# Altium PCB BGA_faser_v2.PcbDoc (part 1 of 5) (continued)
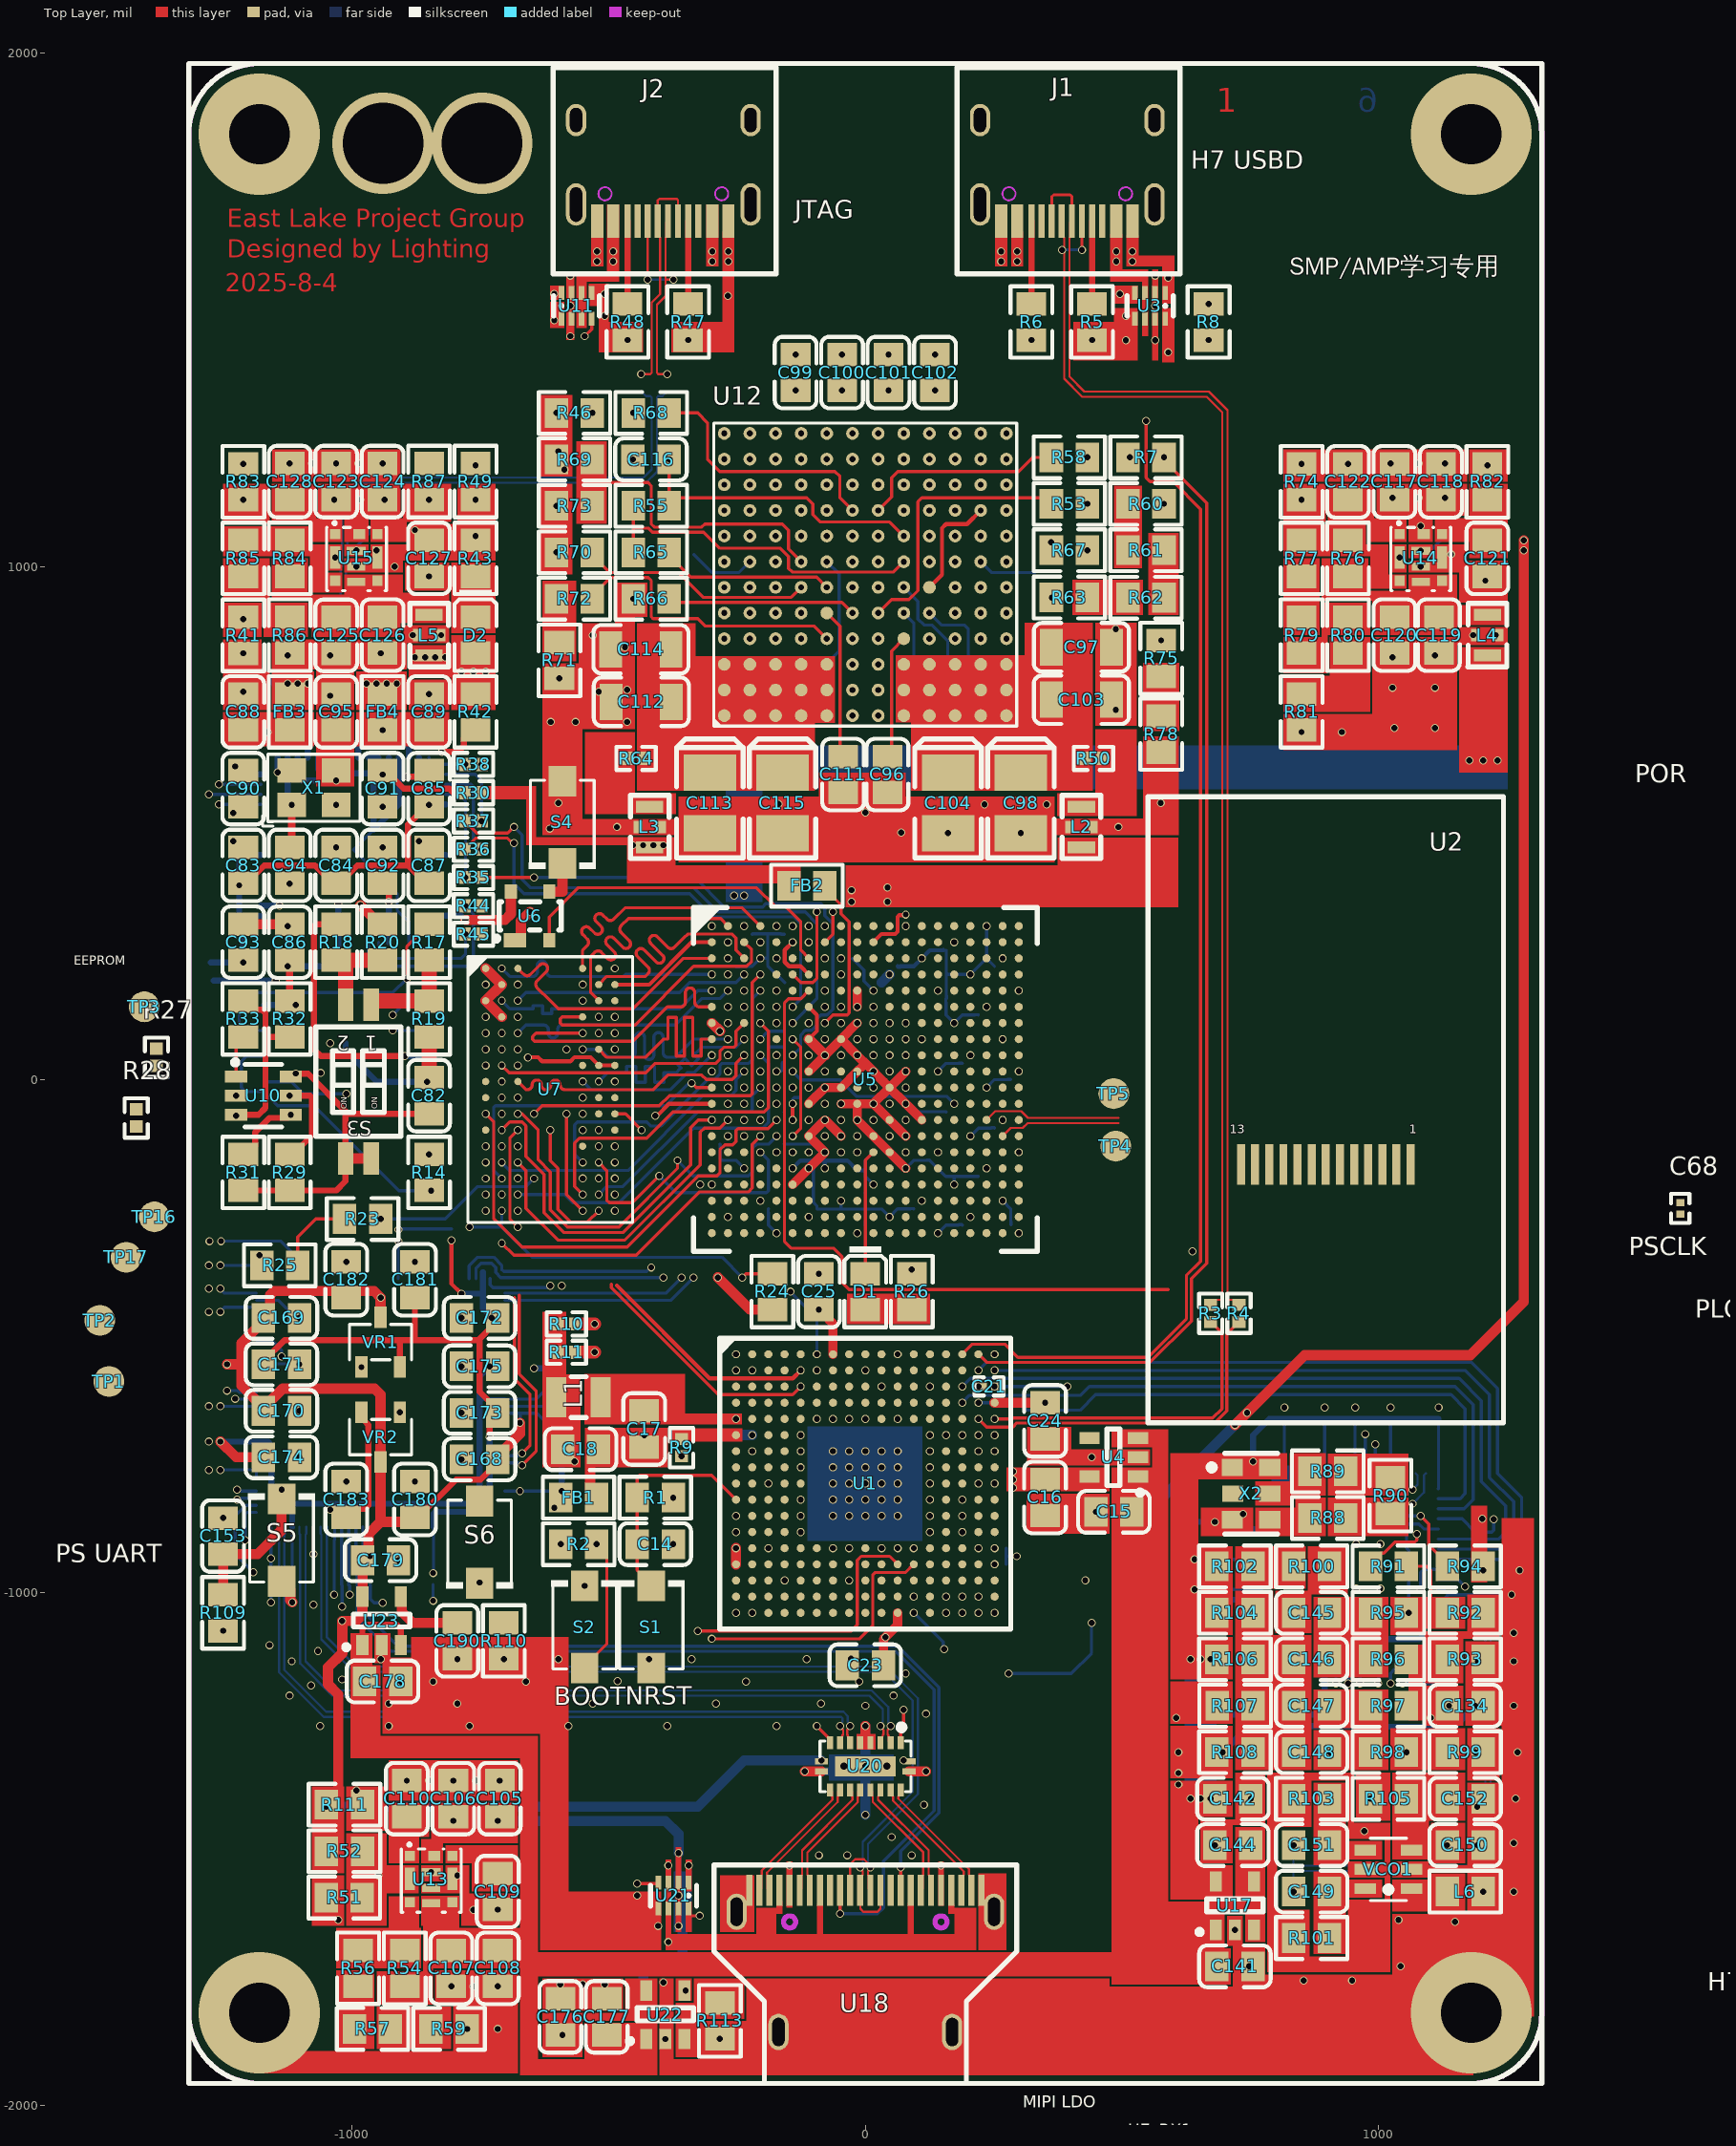
[diagram p0: Top Layer view]
## Components (designator, comment, footprint, x,y, rotation, side; value= is the part's Value field where it differs from the comment) (continued)
R22 "10KΩ" 0201#1 -47.24,236.22 r0 bottom
R23 "120Ω" 0805_R -979.92,-271.65 r180 top
R24 "4.7KΩ" 0805_R -181.1,-413.39 r90 top
R25 "120Ω" 0805_R -1141.34,-362.2 r0 top
R26 "1.2KΩ" 0805_R 90.55,-413.39 r90 top
R27 "80.4" 0402_R -1381.89,43.31 r90 top
R28 "80.4" 0402_R -1421.26,-74.8 r90 top
R29 "10KΩ (1002) ±1%" 0805_R -1122.05,-181.1 r270 top locked
R30 "0Ω" 0402_R -763.78,559.06 r0 top locked
R31 "10KΩ (1002) ±1%" 0805_R -1212.6,-181.1 r270 top locked
R32 "10KΩ (1002) ±1%" 0805_R -1122.05,118.11 r90 top
R33 "2.2KΩ" 0805_R -1212.6,118.11 r270 top
R34 "0Ω" 0402_R -1271.65,208.66 r90 bottom
R35 "33Ω" 0402_R -763.78,393.7 r0 top
R36 "33Ω" 0402_R -763.78,448.82 r180 top locked
R37 "33Ω" 0402_R -763.78,503.94 r180 top locked
R38 "33Ω" 0402_R -763.78,614.17 r0 top locked
R39 "33Ω" 0402_R -437.01,1358.27 r270 bottom locked
R40 "33Ω" 0402_R -385.83,1358.27 r270 bottom locked
R41 "12KΩ" 0805_R -1212.6,865.75 r270 top
R42 "1KΩ" 0805_R -759.84,716.54 r270 top
R43 "1KΩ (1001) ±1%" 0805_R -759.84,1015.75 r270 top
R44 "33Ω" 0402_R -763.78,338.58 r0 top
R45 "33Ω" 0402_R -763.78,283.46 r0 top
R46 "10KΩ" 0805_R -566.93,1299.21 r0 top
R47 "5.1KΩ" 0805_R -345.47,1476.38 r270 top locked
R48 "5.1KΩ" 0805_R -463.58,1476.38 r270 top locked
R49 "10KΩ" 0805_R -759.84,1165.35 r90 top locked
R50 "0Ω" 0402_R 444.88,625.98 r0 top
R51 "10KΩ" 0805_R -1015.75,-1594.49 r0 top locked
R52 "10KΩ" 0805_R -1015.35,-1503.94 r0 top locked
R53 "NC" 0805_R 397.64,1122.05 r180 top
R54 "10KΩ" 0805_R -897.64,-1732.28 r270 top locked
R55 "10KΩ (1002) ±1%" 0805_R -417.32,1118.11 r0 top
R56 "1.2KΩ" 0805_R -988.76,-1732.2 r270 top locked
R57 "24Ω" 0805_R -960.63,-1850.39 r180 top locked
R58 "NC" 0805_R 397.64,1212.6 r180 top
R59 "680Ω" 0805_R -811.42,-1850.39 r0 top locked
R60 "3KΩ (3001) ±1%" 0805_R 547.24,1122.05 r0 top
R61 "51KΩ (5102) ±1%" 0805_R 547.24,1031.5 r0 top locked
R62 "33KΩ (3302) ±1%" 0805_R 547.21,939.2 r180 top
R63 "3.9KΩ (3901) ±1%" 0805_R 397.64,939.43 r180 top
R64 "0Ω" 0402_R -446.85,625.98 r180 top
R65 "0Ω (0R0) ±1%" 0805_R -417.32,1027.56 r180 top
R66 "NC" 0805_R -417.32,937.01 r0 top
R67 "10KΩ (1002) ±1%" 0805_R 397.64,1031.5 r180 top
R68 "100KΩ" 0805_R -417.32,1299.21 r180 top
R69 "NC" 0805_R -566.93,1208.66 r180 top
R70 "0Ω" 0805_R -566.93,1027.56 r180 top locked
R71 "200Ω (2000) ±1%" 0805_R -596.46,816.93 r90 top
R72 "30KΩ (3002) ±1%" 0805_R -566.93,937.01 r0 top
R73 "0Ω" 0805_R -566.93,1118.11 r0 top
R74 "10KΩ" 0805_R 850.39,1164.96 r90 top
R75 "120KΩ (1203) ±1%" 0805_R 576.77,820.87 r90 top
R76 "10KΩ" 0805_R 940.94,1015.75 r270 top
R77 "10KΩ (1002) ±1%" 0805_R 850.39,1015.75 r270 top
R78 "1KΩ (1001) ±1%" 0805_R 576.77,673.23 r90 top
R79 "1.2KΩ (1201) ±1%" 0805_R 850.39,866.14 r270 top
R80 "220Ω (2200) ±1%" 0805_R 940.94,866.14 r90 top
R81 "5.1Ω (5R10) ±1%" 0805_R 850.39,716.54 r270 top
R82 "0Ω (0R0) ±1%" 0805_R 1212.6,1164.96 r90 top
R83 "10KΩ" 0805_R -1212.6,1164.96 r90 top
R84 "10KΩ" 0805_R -1122.05,1015.75 r270 top
R85 "2.2KΩ (2201) ±1%" 0805_R -1212.6,1015.75 r270 top
R86 "1KΩ (1001) ±1%" 0805_R -1122.05,866.14 r270 top
R87 "0Ω (0R0) ±1%" 0805_R -850.39,1165.35 r90 top
R88 "0Ω" 0805_R 901.57,-854.33 r180 top locked
R89 "0Ω" 0805_R 901.57,-763.78 r180 top
R90 "100Ω (1000) ±1%" 0805_R 1023.62,-811.02 r270 top
R91 "2KΩ" 0805_R 1019.68,-948.82 r0 top
R92 "2KΩ" 0805_R 1169.29,-1039.37 r0 top
R93 "120Ω" 0805_R 1169.29,-1129.92 r0 top
R94 "5.1KΩ" 0805_R 1169.29,-948.82 r0 top locked
R95 "0Ω" 0805_R 1019.68,-1039.37 r180 top
R96 "1.2KΩ" 0805_R 1019.68,-1129.92 r0 top locked
R97 "100Ω" 0805_R 1019.68,-1220.47 r180 top locked
R98 "0Ω" 0805_R 1019.68,-1311.02 r0 top
R99 "0Ω" 0805_R 1169.29,-1311.02 r0 top
R100 "2.4KΩ" 0805_R 870.08,-948.82 r0 top
R101 "49.9Ω" 0805_R 870.08,-1673.23 r0 top
R102 "10Ω" 0805_R 720.47,-948.82 r0 top locked
R103 "49.9Ω" 0805_R 870.08,-1401.57 r180 top
R104 "200Ω" 0805_R 720.47,-1039.37 r180 top locked
R105 "0" 0805_R 1019.68,-1401.57 r180 top
R106 "NC" 0805_R 720.47,-1129.92 r0 top locked
R107 "0Ω" 0805_R 720.87,-1220.47 r0 top locked
R108 "NC" 0805_R 720.47,-1311.02 r0 top locked
R109 "10KΩ" 0805_R -1251.97,-1039.37 r270 top locked
R110 "10KΩ" 0805_R -704.72,-1094.09 r90 top
R111 "10KΩ" 0805_R -1015.35,-1413.39 r180 top locked
R112 "10KΩ" 0201#1 -444.88,-1590.55 r90 bottom
R113 "10KΩ" 0805_R -283.46,-1834.65 r90 top locked
S1 "SW-PB" SW-3*4-2P -417.32,-1066.93 r90 top
S2 "SW-PB" SW-3*4-2P -547.24,-1066.93 r90 top
S3 "SW DIP-2" SW-SMD_DSHP02TS-S -988.19,-3.94 r180 top locked
S4 "SW-PB" SW-3*4-2P -590.55,501.38 r270 top locked
S5 "SW-PB" SW-3*4-2P -1137.8,-897.64 r90 top
S6 "SW-PB" SW-3*4-2P -751.97,-901.57 r270 top
TP1 "test-point" POINT#1 -1474.41,-588.58 r0 top
TP2 "test-point" POINT#1 -1492.13,-469.49 r90 top
TP3 "test-point" POINT#1 -1405.51,141.73 r90 top
TP4 "test-point" POINT#1 488.19,-129.92 r90 top
TP5 "test-point" POINT#1 484.25,-27.56 r90 top
TP6 "test-point" POINT#1 -948.82,-1551.18 r90 bottom
TP7 "test-point" POINT#1 -846.46,-1545.08 r90 bottom
TP8 "test-point" POINT#2 -98.43,787.4 r90 top
TP9 "test-point" POINT#2 94.49,791.34 r90 top
TP10 "test-point" POINT#2 165.35,791.34 r90 top
TP11 "test-point" POINT#2 236.22,791.34 r90 top
TP12 "test-point" POINT#2 -334.65,1023.62 r90 top
TP13 "test-point" POINT#1 330.71,988.19 r90 bottom
TP14 "test-point" POINT#1 1137.8,1066.93 r180 bottom
TP15 "test-point" POINT#2 -968.5,1074.8 r90 top
TP16 "test-point" POINT#1 -1385.83,-267.72 r90 top
TP17 "test-point" POINT#1 -1440.94,-346.46 r90 top
U1 "STM32H747XIH6" TFBGA-265_L14.0-W14.0-P0.80-TL 0,-787.4 r0 top locked
U2 "ZJY_1.14" ZJY_1.14'' 551.18,-669.29 r0 top locked
U3 "LM66200DRLR" SOT-583-8_L2.1-W1.2-P0.50-LS1.6-BL 555.12,1507.87 r180 top locked
U4 "AP2112K-3.3TRG1" SOT-23-5 531.5,-773.62 r90 top
U5 "XC7Z020-2CLG400I" FBGA-400_L17.0-W17.0-R20-C20-P0.80-TL 0,0 r0 top locked
U6 "VP811REUS/T" SOT-143_L2.9-W1.3-P1.92-LS2.3-BL -653.54,318.9 r0 top
U7 "NT5CC256M16ER-EK" TFBGA-96_L13.0-W8.0-R16-C6-P0.80-TL -614.17,-19.69 r0 top locked
U8 "SPI-NOR" WSON8 -1012.93,70.67 r270 bottom locked
U9 "FT2232HQ-REEL" QFN-64_L9.0-W9.0-P0.50-TL-EP4.3 -998.04,447.44 r270 bottom locked
U10 "93LC56BT-I/OT" SOT-23-6_L2.9-W1.6-P0.95-LS2.8-BR -1173.23,-31.5 r180 top locked
U11 "LM66200DRLR" SOT-583-8_L2.1-W1.2-P0.50-LS1.6-BL -562.99,1507.87 r0 top locked
U12 "LTM4620AIY#PBF" BGA-144_L15.0-W15.0-R12-C12-P1.27-BL 0,984.25 r0 top locked
U13 "NAE12S03-B" PWRM-SMD_HUAWEI_NAE12S03 -846.46,-1559.06 r0 top locked
U14 "NAE12S03-B" PWRM-SMD_HUAWEI_NAE12S03 1082.68,1016.54 r0 top locked
U15 "NAE12S03-B" PWRM-SMD_HUAWEI_NAE12S03 -992.13,1016.54 r0 top locked
U16 "AD9516-4BCPZ-REEL7" LFCSP-64_L9.0-W8.8-P0.50-TL-EP6.2 944.88,-944.88 r180 bottom locked
U17 "MIC5219-3.3YM5" SOT-23-5 683.07,-1657.48 r0 top locked
U18 "Socket" "USB Type C 24pin全后贴" 0,-1600 r0 top locked
U19 "CH32H417QEU6" QFN128_12.3X12.3 -944.88,-629.92 r90 bottom locked
U20 "CH482X" QFN20_2.5X4.5 0,-1338.58 r180 top locked
U21 "LM66200DRLR" SOT-583-8_L2.1-W1.2-P0.50-LS1.6-BL -374.02,-1590.55 r180 top locked
U22 "MT9700" SOT-23-5 -427.17,-1870.08 r0 top locked
U23 "MIC5219-3.3YM5" SOT-23-5 -980.32,-1102.36 r0 top
VCO1 "VCO" SOT-23-6_L2.9-W1.6-P0.95-LS2.8-BL 1019.69,-1539.37 r90 top
VR1 "XC6206P332MR-G" SOT-23-3_L2.9-W1.6-P1.90-LS2.8-BR -944.88,-511.81 r270 top
VR2 "XC6206P332MR-G" SOT-23-3_L2.9-W1.6-P1.90-LS2.8-BR -944.88,-696.85 r90 top
X1 "12MHz" 3225 -1118.11,535.35 r0 top value=8MHz
X2 "100MHz" OSC-SMD_6P-L3.2-W2.5-BL_SG3225EAN 751.97,-807.09 r270 top locked

## Footprints (in the part's own frame and the unit in brackets; to place one, negate y for a bottom-side part, rotate by r counter-clockwise, add the part's x,y. Pads: shape width x height; smd on the part's side, far side on the other; paste and mask are expansions set on the pad)
0201#1 [mm]
  rect 0.36x0.4 smd mask+0.051: 1(0,0) 2(0.57,0)
  silkscreen extent -0.43,-0.45 1,0.45
0201#2 [mm]
  rect 0.36x0.4 smd mask+0.051: 1(0,0)
  oval 0.36x0.4 smd mask+0.051: 2(0.57,0)
  silkscreen extent -0.43,-0.45 1,0.45
0201#3 [mm]
  rect 0.36x0.4 smd mask+0.051: 1(0,0)
  rrect50% 0.36x0.4 smd mask+0.051: 2(0.57,0)
  silkscreen extent -0.43,-0.45 1,0.45
0201#4 [mm]
  rrect50% 0.36x0.4 smd mask+0.051: 1(0,0)
  rect 0.36x0.4 smd mask+0.051: 2(0.57,0)
  silkscreen extent -0.43,-0.45 1,0.45
0402_R [mm]
  rect 0.6x0.65 smd mask+0.051: 1(-0.425,0) 2(0.425,0)
  silkscreen extent -0.97,-0.58 0.97,0.58, body extent -0.57,-0.27 0.58,0.28, height 0.41
0805_C [mm]
  rect 1.16x1.47 smd: 1(-0.89,0) 2(0.89,0)
  silkscreen extent -1.77,-1.04 1.77,1.04, body extent -1,-0.62 1,0.63, height 0.77
0805_L [mm]
  rect 1.16x1.47 smd: 1(-0.89,0) 2(0.89,0)
  silkscreen extent -1.77,-1.04 1.77,1.03, body extent -1.02,-0.64 1.03,0.64, height 0.6
0805_LED_S1 [mm]
  rect 1.16x1.47 smd: A(0.89,0) K(-0.89,0)
  silkscreen extent -2.24,-1.04 1.77,1.03, body extent -1.01,-0.62 1.01,0.62, height 1.1
0805_R [mm]
  rect 1.16x1.47 smd: 1(-0.89,0) 2(0.89,0)
  silkscreen extent -1.77,-1.04 1.77,1.03, body extent -1,-0.62 1,0.63, height 0.49
1206_C [mm]
  rect 1.13x1.8 smd: 1(-1.49,0) 2(1.49,0)
  silkscreen extent -2.36,-1.2 2.35,1.2, body extent 0,-0.01 0,-0.01
3225 [mm]
  rect 1.4x1.2 smd: 1(0,0) 2(2.2,0) 3(2.2,1.702) 4(0,1.702)
  silkscreen extent -1.44,-1.05 3.39,2.5
BGA-144_L15.0-W15.0-R12-C12-P1.27-BL [mm]
  round 0.63 smd: A1(-6.985,-6.985) A2(-5.715,-6.985) A3(-4.445,-6.985) A4(-3.175,-6.985) A5(-1.905,-6.985) A6(-0.635,-6.985) A7(0.635,-6.985) A8(1.905,-6.985) A9(3.175,-6.985) A10(4.445,-6.985) A11(5.715,-6.985) A12(6.985,-6.985) B1(-6.985,-5.715) B2(-5.715,-5.715) B3(-4.445,-5.715) B4(-3.175,-5.715) B5(-1.905,-5.715) B6(-0.635,-5.715) B7(0.635,-5.715) B8(1.905,-5.715) B9(3.175,-5.715) B10(4.445,-5.715) B11(5.715,-5.715) B12(6.985,-5.715) C1(-6.985,-4.445) C2(-5.715,-4.445) C3(-4.445,-4.445) C4(-3.175,-4.445) C5(-1.905,-4.445) C6(-0.635,-4.445) C7(0.635,-4.445) C8(1.905,-4.445) C9(3.175,-4.445) C10(4.445,-4.445) C11(5.715,-4.445) C12(6.985,-4.445) D1(-6.985,-3.175) D2(-5.715,-3.175) D3(-4.445,-3.175) D4(-3.175,-3.175) D5(-1.905,-3.175) D6(-0.635,-3.175) D7(0.635,-3.175) D8(1.905,-3.175) D9(3.175,-3.175) D10(4.445,-3.175) D11(5.715,-3.175) D12(6.985,-3.175) E1(-6.985,-1.905) E2(-5.715,-1.905) E3(-4.445,-1.905) E4(-3.175,-1.905) E5(-1.905,-1.905) E6(-0.635,-1.905) E7(0.635,-1.905) E8(1.905,-1.905) E9(3.175,-1.905) E10(4.445,-1.905) E11(5.715,-1.905) E12(6.985,-1.905) F1(-6.985,-0.635) F2(-5.715,-0.635) F3(-4.445,-0.635) F4(-3.175,-0.635) F5(-1.905,-0.635) F6(-0.635,-0.635) F7(0.635,-0.635) F8(1.905,-0.635) F9(3.175,-0.635) F10(4.445,-0.635) F11(5.715,-0.635) F12(6.985,-0.635) G1(-6.985,0.635) G2(-5.715,0.635) G3(-4.445,0.635) G4(-3.175,0.635) G5(-1.905,0.635) G6(-0.635,0.635) G7(0.635,0.635) G8(1.905,0.635) G9(3.175,0.635) G10(4.445,0.635) G11(5.715,0.635) G12(6.985,0.635) H1(-6.985,1.905) H2(-5.715,1.905) H3(-4.445,1.905) H4(-3.175,1.905) H5(-1.905,1.905) H6(-0.635,1.905) H7(0.635,1.905) H8(1.905,1.905) H9(3.175,1.905) H10(4.445,1.905) H11(5.715,1.905) H12(6.985,1.905) J1(-6.985,3.175) J2(-5.715,3.175) J3(-4.445,3.175) J4(-3.175,3.175) J5(-1.905,3.175) J6(-0.635,3.175) J7(0.635,3.175) J8(1.905,3.175) J9(3.175,3.175) J10(4.445,3.175) J11(5.715,3.175) J12(6.985,3.175) K1(-6.985,4.445) K2(-5.715,4.445) K3(-4.445,4.445) K4(-3.175,4.445) K5(-1.905,4.445) K6(-0.635,4.445) K7(0.635,4.445) K8(1.905,4.445) K9(3.175,4.445) K10(4.445,4.445) K11(5.715,4.445) K12(6.985,4.445) L1(-6.985,5.715) L2(-5.715,5.715) L3(-4.445,5.715) L4(-3.175,5.715) L5(-1.905,5.715) L6(-0.635,5.715) L7(0.635,5.715) L8(1.905,5.715) L9(3.175,5.715) L10(4.445,5.715) L11(5.715,5.715) L12(6.985,5.715) M1(-6.985,6.985) M2(-5.715,6.985) M3(-4.445,6.985) M4(-3.175,6.985) M5(-1.905,6.985) M6(-0.635,6.985) M7(0.635,6.985) M8(1.905,6.985) M9(3.175,6.985) M10(4.445,6.985) M11(5.715,6.985) M12(6.985,6.985)
  silkscreen extent -7.5,-7.5 7.5,7.5
CASE-B_3528 [mm]
  rect 1.8x2.6 smd: 1(1.5,0) 2(-1.5,0)
  silkscreen extent -2.73,-1.65 3.16,1.65, body extent 0,0 0,0
FBGA-400_L17.0-W17.0-R20-C20-P0.80-TL [mm]
  round 0.4 smd paste+0 mask+0.051: A1(-7.6,7.6) A2(-6.8,7.6) A3(-6,7.6) A4(-5.2,7.6) A5(-4.4,7.6) A6(-3.6,7.6) A7(-2.8,7.6) A8(-2,7.6) A9(-1.2,7.6) A10(-0.4,7.6) A11(0.4,7.6) A12(1.2,7.6) A13(2,7.6) A14(2.8,7.6) A15(3.6,7.6) A16(4.4,7.6) A17(5.2,7.6) A18(6,7.6) A19(6.8,7.6) A20(7.6,7.6) B1(-7.6,6.8) B2(-6.8,6.8) B3(-6,6.8) B4(-5.2,6.8) B5(-4.4,6.8) B6(-3.6,6.8) B7(-2.8,6.8) B8(-2,6.8) B9(-1.2,6.8) B10(-0.4,6.8) B11(0.4,6.8) B12(1.2,6.8) B13(2,6.8) B14(2.8,6.8) B15(3.6,6.8) B16(4.4,6.8) B17(5.2,6.8) B18(6,6.8) B19(6.8,6.8) B20(7.6,6.8) C1(-7.6,6) C2(-6.8,6) C3(-6,6) C4(-5.2,6) C5(-4.4,6) C6(-3.6,6) C7(-2.8,6) C8(-2,6) C9(-1.2,6) C10(-0.4,6) C11(0.4,6) C12(1.2,6) C13(2,6) C14(2.8,6) C15(3.6,6) C16(4.4,6) C17(5.2,6) C18(6,6) C19(6.8,6) C20(7.6,6) D1(-7.6,5.2) D2(-6.8,5.2) D3(-6,5.2) D4(-5.2,5.2) D5(-4.4,5.2) D6(-3.6,5.2) D7(-2.8,5.2) D8(-2,5.2) D9(-1.2,5.2) D10(-0.4,5.2) D11(0.4,5.2) D12(1.2,5.2) D13(2,5.2) D14(2.8,5.2) D15(3.6,5.2) D16(4.4,5.2) D17(5.2,5.2) D18(6,5.2) D19(6.8,5.2) D20(7.6,5.2) E1(-7.6,4.4) E2(-6.8,4.4) E3(-6,4.4) E4(-5.2,4.4) E5(-4.4,4.4) E6(-3.6,4.4) E7(-2.8,4.4) E8(-2,4.4) E9(-1.2,4.4) E10(-0.4,4.4) E11(0.4,4.4) E12(1.2,4.4) E13(2,4.4) E14(2.8,4.4) E15(3.6,4.4) E16(4.4,4.4) E17(5.2,4.4) E18(6,4.4) E19(6.8,4.4) E20(7.6,4.4) F1(-7.6,3.6) F2(-6.8,3.6) F3(-6,3.6) F4(-5.2,3.6) F5(-4.4,3.6) F6(-3.6,3.6) F7(-2.8,3.6) F8(-2,3.6) F9(-1.2,3.6) F10(-0.4,3.6) F11(0.4,3.6) F12(1.2,3.6) F13(2,3.6) F14(2.8,3.6) F15(3.6,3.6) F16(4.4,3.6) F17(5.2,3.6) F18(6,3.6) F19(6.8,3.6) F20(7.6,3.6) G1(-7.6,2.8) G2(-6.8,2.8) G3(-6,2.8) G4(-5.2,2.8) G5(-4.4,2.8) G6(-3.6,2.8) G7(-2.8,2.8) G8(-2,2.8) G9(-1.2,2.8) G10(-0.4,2.8) G11(0.4,2.8) G12(1.2,2.8) G13(2,2.8) G14(2.8,2.8) G15(3.6,2.8) G16(4.4,2.8) G17(5.2,2.8) G18(6,2.8) G19(6.8,2.8) G20(7.6,2.8) H1(-7.6,2) H2(-6.8,2) H3(-6,2) H4(-5.2,2) H5(-4.4,2) H6(-3.6,2) H7(-2.8,2) H8(-2,2) H9(-1.2,2) H10(-0.4,2) H11(0.4,2) H12(1.2,2) H13(2,2) H14(2.8,2) H15(3.6,2) H16(4.4,2) H17(5.2,2) H18(6,2) H19(6.8,2) H20(7.6,2) J1(-7.6,1.2) J2(-6.8,1.2) J3(-6,1.2) J4(-5.2,1.2) J5(-4.4,1.2) J6(-3.6,1.2) J7(-2.8,1.2) J8(-2,1.2) J9(-1.2,1.2) J10(-0.4,1.2) J11(0.4,1.2) J12(1.2,1.2) J13(2,1.2) J14(2.8,1.2) J15(3.6,1.2) J16(4.4,1.2) J17(5.2,1.2) J18(6,1.2) J19(6.8,1.2) J20(7.6,1.2) K1(-7.6,0.4) K2(-6.8,0.4) K3(-6,0.4) K4(-5.2,0.4) K5(-4.4,0.4) K6(-3.6,0.4) K7(-2.8,0.4) K8(-2,0.4) K9(-1.2,0.4) K10(-0.4,0.4) K11(0.4,0.4) K12(1.2,0.4) K13(2,0.4) K14(2.8,0.4) K15(3.6,0.4) K16(4.4,0.4) K17(5.2,0.4) K18(6,0.4) K19(6.8,0.4) K20(7.6,0.4) L1(-7.6,-0.4) L2(-6.8,-0.4) L3(-6,-0.4) L4(-5.2,-0.4) L5(-4.4,-0.4) L6(-3.6,-0.4) L7(-2.8,-0.4) L8(-2,-0.4) L9(-1.2,-0.4) L10(-0.4,-0.4) L11(0.4,-0.4) L12(1.2,-0.4) L13(2,-0.4) L14(2.8,-0.4) L15(3.6,-0.4) L16(4.4,-0.4) L17(5.2,-0.4) L18(6,-0.4) L19(6.8,-0.4) L20(7.6,-0.4) M1(-7.6,-1.2) M2(-6.8,-1.2) M3(-6,-1.2) M4(-5.2,-1.2) M5(-4.4,-1.2) M6(-3.6,-1.2) M7(-2.8,-1.2) M8(-2,-1.2) M9(-1.2,-1.2) M10(-0.4,-1.2) M11(0.4,-1.2) M12(1.2,-1.2) M13(2,-1.2) M14(2.8,-1.2) M15(3.6,-1.2) M16(4.4,-1.2) M17(5.2,-1.2) M18(6,-1.2) M19(6.8,-1.2) M20(7.6,-1.2) N1(-7.6,-2) N2(-6.8,-2) N3(-6,-2) N4(-5.2,-2) N5(-4.4,-2) N6(-3.6,-2) N7(-2.8,-2) N8(-2,-2) N9(-1.2,-2) N10(-0.4,-2) N11(0.4,-2) N12(1.2,-2) N13(2,-2) N14(2.8,-2) N15(3.6,-2) N16(4.4,-2) N17(5.2,-2) N18(6,-2) N19(6.8,-2) N20(7.6,-2) P1(-7.6,-2.8) P2(-6.8,-2.8) P3(-6,-2.8) P4(-5.2,-2.8) P5(-4.4,-2.8) P6(-3.6,-2.8) P7(-2.8,-2.8) P8(-2,-2.8) P9(-1.2,-2.8) P10(-0.4,-2.8) P11(0.4,-2.8) P12(1.2,-2.8) P13(2,-2.8) P14(2.8,-2.8) P15(3.6,-2.8) P16(4.4,-2.8) P17(5.2,-2.8) P18(6,-2.8) P19(6.8,-2.8) P20(7.6,-2.8) R1(-7.6,-3.6) R2(-6.8,-3.6) R3(-6,-3.6) R4(-5.2,-3.6) R5(-4.4,-3.6) R6(-3.6,-3.6) R7(-2.8,-3.6) R8(-2,-3.6) R9(-1.2,-3.6) R10(-0.4,-3.6) R11(0.4,-3.6) R12(1.2,-3.6) R13(2,-3.6) R14(2.8,-3.6) R15(3.6,-3.6) R16(4.4,-3.6) R17(5.2,-3.6) R18(6,-3.6) R19(6.8,-3.6) R20(7.6,-3.6) T1(-7.6,-4.4) T2(-6.8,-4.4) T3(-6,-4.4) T4(-5.2,-4.4) T5(-4.4,-4.4) T6(-3.6,-4.4) T7(-2.8,-4.4) T8(-2,-4.4) T9(-1.2,-4.4) T10(-0.4,-4.4) T11(0.4,-4.4) T12(1.2,-4.4) T13(2,-4.4) T14(2.8,-4.4) T15(3.6,-4.4) T16(4.4,-4.4) T17(5.2,-4.4) T18(6,-4.4) T19(6.8,-4.4) T20(7.6,-4.4) U1(-7.6,-5.2) U2(-6.8,-5.2) U3(-6,-5.2) U4(-5.2,-5.2) U5(-4.4,-5.2) U6(-3.6,-5.2) U7(-2.8,-5.2) U8(-2,-5.2) U9(-1.2,-5.2) U10(-0.4,-5.2) U11(0.4,-5.2) U12(1.2,-5.2) U13(2,-5.2) U14(2.8,-5.2) U15(3.6,-5.2) U16(4.4,-5.2) U17(5.2,-5.2) U18(6,-5.2) U19(6.8,-5.2) U20(7.6,-5.2) V1(-7.6,-6) V2(-6.8,-6) V3(-6,-6) V4(-5.2,-6) V5(-4.4,-6) V6(-3.6,-6) V7(-2.8,-6) V8(-2,-6) V9(-1.2,-6) V10(-0.4,-6) V11(0.4,-6) V12(1.2,-6) V13(2,-6) V14(2.8,-6) V15(3.6,-6) V16(4.4,-6) V17(5.2,-6) V18(6,-6) V19(6.8,-6) V20(7.6,-6) W1(-7.6,-6.8) W2(-6.8,-6.8) W3(-6,-6.8) W4(-5.2,-6.8) W5(-4.4,-6.8) W6(-3.6,-6.8) W7(-2.8,-6.8) W8(-2,-6.8) W9(-1.2,-6.8) W10(-0.4,-6.8) W11(0.4,-6.8) W12(1.2,-6.8) W13(2,-6.8) W14(2.8,-6.8) W15(3.6,-6.8) W16(4.4,-6.8) W17(5.2,-6.8) W18(6,-6.8) W19(6.8,-6.8) W20(7.6,-6.8) Y1(-7.6,-7.6) Y2(-6.8,-7.6) Y3(-6,-7.6) Y4(-5.2,-7.6) Y5(-4.4,-7.6) Y6(-3.6,-7.6) Y7(-2.8,-7.6) Y8(-2,-7.6) Y9(-1.2,-7.6) Y10(-0.4,-7.6) Y11(0.4,-7.6) Y12(1.2,-7.6) Y13(2,-7.6) Y14(2.8,-7.6) Y15(3.6,-7.6) Y16(4.4,-7.6) Y17(5.2,-7.6) Y18(6,-7.6) Y19(6.8,-7.6) Y20(7.6,-7.6)
  silkscreen extent -8.51,-8.51 8.51,8.51
FILTER-SMD_3P-L2.0-W1.2-L [mm]
  rect 0.6x1.35 smd: 1(-1,0) 3(1,0)
  rect 0.6x0.45 smd: 2(0,0.58) 2(0,-0.58)
  silkscreen extent -1.57,-0.96 1.56,0.97
IND-SMD_L2.5-W2.0_YXMBL252010P [mm]
  rect 1x2 smd: 1(1.1,0) 2(-1.1,0)
  silkscreen extent -0.37,-1.02 0.37,1.02
LFCSP-64_L9.0-W8.8-P0.50-TL-EP6.2 [mm]
  rect 0.8x0.3 smd: 1(-4.375,3.75) 2(-4.375,3.25) 3(-4.375,2.75) 4(-4.375,2.25) 5(-4.375,1.75) 6(-4.375,1.25) 7(-4.375,0.75) 8(-4.375,0.25) 9(-4.375,-0.25) 10(-4.375,-0.75) 11(-4.375,-1.25) 12(-4.375,-1.75) 13(-4.375,-2.25) 14(-4.375,-2.75) 15(-4.375,-3.25) 16(-4.375,-3.75) 33(4.375,-3.75) 34(4.375,-3.25) 35(4.375,-2.75) 36(4.375,-2.25) 37(4.375,-1.75) 38(4.375,-1.25) 39(4.375,-0.75) 40(4.375,-0.25) 41(4.375,0.25) 42(4.375,0.75) 43(4.375,1.25) 44(4.375,1.75) 45(4.375,2.25) 46(4.375,2.75) 47(4.375,3.25) 48(4.375,3.75)
  rect 0.3x0.8 smd: 17(-3.75,-4.5) 18(-3.25,-4.5) 19(-2.75,-4.5) 20(-2.25,-4.5) 21(-1.75,-4.5) 22(-1.25,-4.5) 23(-0.75,-4.5) 24(-0.25,-4.5) 25(0.25,-4.5) 26(0.75,-4.5) 27(1.25,-4.5) 28(1.75,-4.5) 29(2.25,-4.5) 30(2.75,-4.5) 31(3.25,-4.5) 32(3.75,-4.5) 49(3.75,4.5) 50(3.25,4.5) 51(2.75,4.5) 52(2.25,4.5) 53(1.75,4.5) 54(1.25,4.5) 55(0.75,4.5) 56(0.25,4.5) 57(-0.25,4.5) 58(-0.75,4.5) 59(-1.25,4.5) 60(-1.75,4.5) 61(-2.25,4.5) 62(-2.75,4.5) 63(-3.25,4.5) 64(-3.75,4.5)
  rect 5x5 smd: 65(-0.001,0.001)
  silkscreen extent -4.5,-4.5 4.5,4.5
OSC-SMD_6P-L3.2-W2.5-BL_SG3225EAN [mm]
  rect 0.86x1.05 smd: 1(-1.29,-0.925) 3(1.29,-0.925) 4(1.29,0.925) 6(-1.29,0.925)
  rect 0.82x1.05 smd: 2(0,-0.9) 5(0,0.925)
  silkscreen extent -2,-2.1 2,1.3
POINT#1 [mil] "测试点"
  round 60 smd: 1(0,0)
POINT#2 [mil] "测试点"
  round 60 smd far side: 1(0,0)
PWRM-SMD_HUAWEI_NAE12S03 [mm]
  rect 0.5x0.5 smd paste+0 mask+0.05: 1(-1.05,1.175) 3(-1.05,-1.125) 5(1.05,-1.125) 7(1.05,1.175)
  rect 0.5x1.1 smd paste+0 mask+0.05: 2(-1.05,0.025) 6(1.05,0.025)
  rect 0.9x0.4 smd paste+0 mask+0.05: 4(0,-1.175) 10(0,-0.42)
  rect 0.6x0.5 smd paste+0 mask+0.05: 8(0.15,1.175)
  rect 0.95x0.4 smd paste+0 mask+0.05: 9(0,0.355)
  silkscreen extent -1.48,-1.62 1.49,1.75
QFN20_2.5X4.5 [mm]
  rect 3x1 smd mask+0.051: 0(0,0)
  round 0.559 hole 0.305 mask+0.102: 0(0,0)
  rect 0.3x0.65 smd mask+0.051: 1(-1.75,-1.17) 2(-1.25,-1.17) 3(-0.75,-1.17) 4(-0.25,-1.17) 5(0.25,-1.17) 6(0.75,-1.17) 7(1.25,-1.17) 8(1.75,-1.17) 11(1.75,1.17) 12(1.25,1.17) 13(0.75,1.17) 14(0.25,1.17) 15(-0.25,1.17) 16(-0.75,1.17) 17(-1.25,1.17) 18(-1.75,1.17)
  rect 0.65x0.3 smd mask+0.051: 9(2.17,-0.25) 10(2.17,0.25) 19(-2.17,0.25) 20(-2.17,-0.25)
  silkscreen extent -2.26,-2.05 2.24,1.25
QFN128_12.3X12.3 [mm]
  rect 9x9 smd mask+0.051: 0(0,0)
  oval 0.16x0.8 smd mask+0.051: 1(-5.425,-6.15) 2(-5.075,-6.15) 3(-4.725,-6.15) 4(-4.375,-6.15) 5(-4.025,-6.15) 6(-3.675,-6.15) 7(-3.325,-6.15) 8(-2.975,-6.15) 9(-2.625,-6.15) 10(-2.275,-6.15) 11(-1.925,-6.15) 12(-1.575,-6.15) 13(-1.225,-6.15) 14(-0.875,-6.15) 15(-0.525,-6.15) 16(-0.175,-6.15) 17(0.175,-6.15) 18(0.525,-6.15) 19(0.875,-6.15) 20(1.225,-6.15) 21(1.575,-6.15) 22(1.925,-6.15) 23(2.275,-6.15) 24(2.625,-6.15) 25(2.975,-6.15) 26(3.325,-6.15) 27(3.675,-6.15) 28(4.025,-6.15) 29(4.375,-6.15) 30(4.725,-6.15) 31(5.075,-6.15) 32(5.425,-6.15) 65(5.425,6.15) 66(5.075,6.15) 67(4.725,6.15) 68(4.375,6.15) 69(4.025,6.15) 70(3.675,6.15) 71(3.325,6.15) 72(2.975,6.15) 73(2.625,6.15) 74(2.275,6.15) 75(1.925,6.15) 76(1.575,6.15) 77(1.225,6.15) 78(0.875,6.15) 79(0.525,6.15) 80(0.175,6.15) 81(-0.175,6.15) 82(-0.525,6.15) 83(-0.875,6.15) 84(-1.225,6.15) 85(-1.575,6.15) 86(-1.925,6.15) 87(-2.275,6.15) 88(-2.625,6.15) 89(-2.975,6.15) 90(-3.325,6.15) 91(-3.675,6.15) 92(-4.025,6.15) 93(-4.375,6.15) 94(-4.725,6.15) 95(-5.075,6.15) 96(-5.425,6.15)
  oval 0.8x0.16 smd mask+0.051: 33(6.15,-5.425) 34(6.15,-5.075) 35(6.15,-4.725) 36(6.15,-4.375) 37(6.15,-4.025) 38(6.15,-3.675) 39(6.15,-3.325) 40(6.15,-2.975) 41(6.15,-2.625) 42(6.15,-2.275) 43(6.15,-1.925) 44(6.15,-1.575) 45(6.15,-1.225) 46(6.15,-0.875) 47(6.15,-0.525) 48(6.15,-0.175) 49(6.15,0.175) 50(6.15,0.525) 51(6.15,0.875) 52(6.15,1.225) 53(6.15,1.575) 54(6.15,1.925) 55(6.15,2.275) 56(6.15,2.625) 57(6.15,2.975) 58(6.15,3.325) 59(6.15,3.675) 60(6.15,4.025) 61(6.15,4.375) 62(6.15,4.725) 63(6.15,5.075) 64(6.15,5.425) 97(-6.15,5.425) 98(-6.15,5.075) 99(-6.15,4.725) 100(-6.15,4.375) 101(-6.15,4.025) 102(-6.15,3.675) 103(-6.15,3.325) 104(-6.15,2.975) 105(-6.15,2.625) 106(-6.15,2.275) 107(-6.15,1.925) 108(-6.15,1.575) 109(-6.15,1.225) 110(-6.15,0.875) 111(-6.15,0.525) 112(-6.15,0.175) 113(-6.15,-0.175) 114(-6.15,-0.525) 115(-6.15,-0.875) 116(-6.15,-1.225) 117(-6.15,-1.575) 118(-6.15,-1.925) 119(-6.15,-2.275) 120(-6.15,-2.625) 121(-6.15,-2.975) 122(-6.15,-3.325) 123(-6.15,-3.675) 124(-6.15,-4.025) 125(-6.15,-4.375) 126(-6.15,-4.725) 127(-6.15,-5.075) 128(-6.15,-5.425)
  silkscreen extent -6.15,-6.84 6.15,6.15
QFN-64_L9.0-W9.0-P0.50-TL-EP4.3 [mm]
  rect 0.9x0.3 smd paste+0 mask+0.05: 1(-4.575,3.75) 2(-4.575,3.25) 3(-4.575,2.75) 4(-4.575,2.25) 5(-4.575,1.75) 6(-4.575,1.25) 7(-4.575,0.75) 8(-4.575,0.25) 9(-4.575,-0.25) 10(-4.575,-0.75) 11(-4.575,-1.25) 12(-4.575,-1.75) 13(-4.575,-2.25) 14(-4.575,-2.75) 15(-4.575,-3.25) 16(-4.575,-3.75) 33(4.575,-3.75) 34(4.575,-3.25) 35(4.575,-2.75) 36(4.575,-2.25) 37(4.575,-1.75) 38(4.575,-1.25) 39(4.575,-0.75) 40(4.575,-0.25) 41(4.575,0.25) 42(4.575,0.75) 43(4.575,1.25) 44(4.575,1.75) 45(4.575,2.25) 46(4.575,2.75) 47(4.575,3.25) 48(4.575,3.75)
  rect 0.3x0.9 smd paste+0 mask+0.05: 17(-3.75,-4.575) 18(-3.25,-4.575) 19(-2.75,-4.575) 20(-2.25,-4.575) 21(-1.75,-4.575) 22(-1.25,-4.575) 23(-0.75,-4.575) 24(-0.25,-4.575) 25(0.25,-4.575) 26(0.75,-4.575) 27(1.25,-4.575) 28(1.75,-4.575) 29(2.25,-4.575) 30(2.75,-4.575) 31(3.25,-4.575) 32(3.75,-4.575) 49(3.75,4.575) 50(3.25,4.575) 51(2.75,4.575) 52(2.25,4.575) 53(1.75,4.575) 54(1.25,4.575) 55(0.75,4.575) 56(0.25,4.575) 57(-0.25,4.575) 58(-0.75,4.575) 59(-1.25,4.575) 60(-1.75,4.575) 61(-2.25,4.575) 62(-2.75,4.575) 63(-3.25,4.575) 64(-3.75,4.575)
  rect 4.5x4.5 smd paste+0 mask+0.05: 65(0,0)
  silkscreen extent -5.43,-4.69 4.69,4.76
SOT-23-3_L2.9-W1.6-P1.90-LS2.8-BR [mm]
  rect 1.07x0.6 smd: 1(1.235,-0.95) 2(1.235,0.95) 3(-1.235,0)
  silkscreen extent -0.88,-1.54 0.88,1.54
SOT-23-5 [mm]
  rect 0.6x1 smd: 1(0,0) 2(0.95,0) 3(1.9,0) 4(1.9,2.4) 5(0,2.4)
  silkscreen extent -0.92,-0.23 2.35,1.54
SOT-23-6_L2.9-W1.6-P0.95-LS2.8-BL [mil]
  rect 20.95x42.2 smd: 1(-37.4,-45.24) 2(0,-45.24) 3(37.4,-45.24) 4(37.4,45.24) 5(0,45.24) 6(-37.4,45.24)
  silkscreen extent -61,-35 61,35
SOT-23-6_L2.9-W1.6-P0.95-LS2.8-BR [mm]
  rect 1.1x0.6 smd paste+0 mask+0.051: 1(1.35,-0.95) 2(1.35,0) 3(1.35,0.95) 4(-1.35,0.95) 5(-1.35,0) 6(-1.35,-0.95)
  silkscreen extent -0.9,-1.78 1.52,1.55
SOT-143_L2.9-W1.3-P1.92-LS2.3-BL [mm]
  rect 1.1x0.7 smd paste+0 mask+0.05: 1(-0.75,-1.2)
  rect 0.6x0.7 smd paste+0 mask+0.05: 2(0.95,-1.2) 3(0.95,1.2) 4(-0.95,1.2)
  silkscreen extent -1.8,-1.24 1.55,0.7
SOT-583-8_L2.1-W1.2-P0.50-LS1.6-BL [mm]
  rect 0.28x0.68 smd: 1(-0.75,-0.64) 2(-0.25,-0.64) 3(0.25,-0.64) 4(0.75,-0.64) 5(0.75,0.64) 6(0.25,0.64) 7(-0.25,0.64) 8(-0.75,0.64)
  silkscreen extent -1.14,-0.51 1.14,0.51
SW-3*4-2P [mm] "开关"
  rect 1.53x1.36 smd: 1(-2.035,0) 2(2.035,0)
  silkscreen extent -2.08,-1.65 2.3,1.65
SW-SMD_DSHP02TS-S [mil] "2位拨码开关"
  rect 30x62.99 smd: 1(25,150) 2(-25,150) 3(-25,-150) 4(25,-150)
  silkscreen extent -83,-106 83,106
TFBGA-96_L13.0-W8.0-R16-C6-P0.80-TL [mm]
  round 0.36 smd paste+0 mask+0.05: A1(-3.2,6) A2(-2.4,6) A3(-1.6,6) A7(1.6,6) A8(2.4,6) A9(3.2,6) B1(-3.2,5.2) B2(-2.4,5.2) B3(-1.6,5.2) B7(1.6,5.2) B8(2.4,5.2) B9(3.2,5.2) C1(-3.2,4.4) C2(-2.4,4.4) C3(-1.6,4.4) C7(1.6,4.4) C8(2.4,4.4) C9(3.2,4.4) D1(-3.2,3.6) D2(-2.4,3.6) D3(-1.6,3.6) D7(1.6,3.6) D8(2.4,3.6) D9(3.2,3.6) E1(-3.2,2.8) E2(-2.4,2.8) E3(-1.6,2.8) E7(1.6,2.8) E8(2.4,2.8) E9(3.2,2.8) F1(-3.2,2) F2(-2.4,2) F3(-1.6,2) F7(1.6,2) F8(2.4,2) F9(3.2,2) G1(-3.2,1.2) G2(-2.4,1.2) G3(-1.6,1.2) G7(1.6,1.2) G8(2.4,1.2) G9(3.2,1.2) H1(-3.2,0.4) H2(-2.4,0.4) H3(-1.6,0.4) H7(1.6,0.4) H8(2.4,0.4) H9(3.2,0.4) J1(-3.2,-0.4) J2(-2.4,-0.4) J3(-1.6,-0.4) J7(1.6,-0.4) J8(2.4,-0.4) J9(3.2,-0.4) K1(-3.2,-1.2) K2(-2.4,-1.2) K3(-1.6,-1.2) K7(1.6,-1.2) K8(2.4,-1.2) K9(3.2,-1.2) L1(-3.2,-2) L2(-2.4,-2) L3(-1.6,-2) L7(1.6,-2) L8(2.4,-2) L9(3.2,-2) M1(-3.2,-2.8) M2(-2.4,-2.8) M3(-1.6,-2.8) M7(1.6,-2.8) M8(2.4,-2.8) M9(3.2,-2.8) N1(-3.2,-3.6) N2(-2.4,-3.6) N3(-1.6,-3.6) N7(1.6,-3.6) N8(2.4,-3.6) N9(3.2,-3.6) P1(-3.2,-4.4) P2(-2.4,-4.4) P3(-1.6,-4.4) P7(1.6,-4.4) P8(2.4,-4.4) P9(3.2,-4.4) R1(-3.2,-5.2) R2(-2.4,-5.2) R3(-1.6,-5.2) R7(1.6,-5.2) R8(2.4,-5.2) R9(3.2,-5.2) T1(-3.2,-6) T2(-2.4,-6) T3(-1.6,-6) T7(1.6,-6) T8(2.4,-6) T9(3.2,-6)
  silkscreen extent -4.08,-6.58 4.08,6.58
TFBGA-265_L14.0-W14.0-P0.80-TL [mm]
  round 0.4 smd paste-100 mask+0.051: A1(-6.4,6.4) A2(-5.6,6.4) A3(-4.8,6.4) A4(-4,6.4) A5(-3.2,6.4) A6(-2.4,6.4) A7(-1.6,6.4) A8(-0.8,6.4) A9(0,6.4) A10(0.8,6.4) A11(1.6,6.4) A12(2.4,6.4) A13(3.2,6.4) A14(4,6.4) A15(4.8,6.4) A16(5.6,6.4) A17(6.4,6.4) B1(-6.4,5.6) B2(-5.6,5.6) B3(-4.8,5.6) B4(-4,5.6) B5(-3.2,5.6) B6(-2.4,5.6) B7(-1.6,5.6) B8(-0.8,5.6) B9(0,5.6) B10(0.8,5.6) B11(1.6,5.6) B12(2.4,5.6) B13(3.2,5.6) B14(4,5.6) B15(4.8,5.6) B16(5.6,5.6) B17(6.4,5.6) C1(-6.4,4.8) C2(-5.6,4.8) C3(-4.8,4.8) C4(-4,4.8) C5(-3.2,4.8) C6(-2.4,4.8) C7(-1.6,4.8) C8(-0.8,4.8) C9(0,4.8) C10(0.8,4.8) C11(1.6,4.8) C12(2.4,4.8) C13(3.2,4.8) C14(4,4.8) C15(4.8,4.8) C16(5.6,4.8) C17(6.4,4.8) D1(-6.4,4) D2(-5.6,4) D3(-4.8,4) D4(-4,4) D5(-3.2,4) D6(-2.4,4) D7(-1.6,4) D8(-0.8,4) D9(0,4) D10(0.8,4) D11(1.6,4) D12(2.4,4) D13(3.2,4) D14(4,4) D15(4.8,4) D16(5.6,4) D17(6.4,4) E1(-6.4,3.2) E2(-5.6,3.2) E3(-4.8,3.2) E4(-4,3.2) E5(-3.2,3.2) E6(-2.4,3.2) E7(-1.6,3.2) E8(-0.8,3.2) E9(0,3.2) E10(0.8,3.2) E11(1.6,3.2) E12(2.4,3.2) E13(3.2,3.2) E14(4,3.2) E15(4.8,3.2) E16(5.6,3.2) E17(6.4,3.2) F1(-6.4,2.4) F2(-5.6,2.4) F3(-4.8,2.4) F4(-4,2.4) F5(-3.2,2.4) F13(3.2,2.4) F14(4,2.4) F15(4.8,2.4) F16(5.6,2.4) F17(6.4,2.4) G1(-6.4,1.6) G2(-5.6,1.6) G3(-4.8,1.6) G4(-4,1.6) G5(-3.2,1.6) G7(-1.6,1.6) G8(-0.8,1.6) G9(0,1.6) G10(0.8,1.6) G11(1.6,1.6) G13(3.2,1.6) G14(4,1.6) G15(4.8,1.6) G16(5.6,1.6) G17(6.4,1.6) H1(-6.4,0.8) H2(-5.6,0.8) H3(-4.8,0.8) H4(-4,0.8) H5(-3.2,0.8) H7(-1.6,0.8) H8(-0.8,0.8) H9(0,0.8) H10(0.8,0.8) H11(1.6,0.8) H13(3.2,0.8) H14(4,0.8) H15(4.8,0.8) H16(5.6,0.8) H17(6.4,0.8) J1(-6.4,0) J2(-5.6,0) J3(-4.8,0) J4(-4,0) J5(-3.2,0) J7(-1.6,0) J8(-0.8,0) J9(0,0) J10(0.8,0) J11(1.6,0) J13(3.2,0) J14(4,0) J15(4.8,0) J16(5.6,0) J17(6.4,0) K1(-6.4,-0.8) K2(-5.6,-0.8) K3(-4.8,-0.8) K4(-4,-0.8) K5(-3.2,-0.8) K7(-1.6,-0.8) K8(-0.8,-0.8) K9(0,-0.8) K10(0.8,-0.8) K11(1.6,-0.8) K13(3.2,-0.8) K14(4,-0.8) K15(4.8,-0.8) K16(5.6,-0.8) K17(6.4,-0.8) L1(-6.4,-1.6) L2(-5.6,-1.6) L3(-4.8,-1.6) L4(-4,-1.6) L5(-3.2,-1.6) L7(-1.6,-1.6) L8(-0.8,-1.6) L9(0,-1.6) L10(0.8,-1.6) L11(1.6,-1.6) L13(3.2,-1.6) L14(4,-1.6) L15(4.8,-1.6) L16(5.6,-1.6) L17(6.4,-1.6) M1(-6.4,-2.4) M2(-5.6,-2.4) M3(-4.8,-2.4) M4(-4,-2.4) M5(-3.2,-2.4) M13(3.2,-2.4) M14(4,-2.4) M15(4.8,-2.4) M16(5.6,-2.4) M17(6.4,-2.4) N1(-6.4,-3.2) N2(-5.6,-3.2) N3(-4.8,-3.2) N4(-4,-3.2) N5(-3.2,-3.2) N6(-2.4,-3.2) N7(-1.6,-3.2) N8(-0.8,-3.2) N9(0,-3.2) N10(0.8,-3.2) N11(1.6,-3.2) N12(2.4,-3.2) N13(3.2,-3.2) N14(4,-3.2) N15(4.8,-3.2) N16(5.6,-3.2) N17(6.4,-3.2) P1(-6.4,-4) P2(-5.6,-4) P3(-4.8,-4) P4(-4,-4) P5(-3.2,-4) P6(-2.4,-4) P7(-1.6,-4) P8(-0.8,-4) P9(0,-4) P10(0.8,-4) P11(1.6,-4) P12(2.4,-4) P13(3.2,-4) P14(4,-4) P15(4.8,-4) P16(5.6,-4) P17(6.4,-4) R1(-6.4,-4.8) R2(-5.6,-4.8) R3(-4.8,-4.8) R4(-4,-4.8) R5(-3.2,-4.8) R6(-2.4,-4.8) R7(-1.6,-4.8) R8(-0.8,-4.8) R9(0,-4.8) R10(0.8,-4.8) R11(1.6,-4.8) R12(2.4,-4.8) R13(3.2,-4.8) R14(4,-4.8) R15(4.8,-4.8) R16(5.6,-4.8) R17(6.4,-4.8) T1(-6.4,-5.6) T2(-5.6,-5.6) T3(-4.8,-5.6) T4(-4,-5.6) T5(-3.2,-5.6) T6(-2.4,-5.6) T7(-1.6,-5.6) T8(-0.8,-5.6) T9(0,-5.6) T10(0.8,-5.6) T11(1.6,-5.6) T12(2.4,-5.6) T13(3.2,-5.6) T14(4,-5.6) T15(4.8,-5.6) T16(5.6,-5.6) T17(6.4,-5.6) U1(-6.4,-6.4) U2(-5.6,-6.4) U3(-4.8,-6.4) U4(-4,-6.4) U5(-3.2,-6.4) U6(-2.4,-6.4) U7(-1.6,-6.4) U8(-0.8,-6.4) U9(0,-6.4) U10(0.8,-6.4) U11(1.6,-6.4) U12(2.4,-6.4) U13(3.2,-6.4) U14(4,-6.4) U15(4.8,-6.4) U16(5.6,-6.4) U17(6.4,-6.4)
  silkscreen extent -7.2,-7.2 7.2,7.2
"USB Type C 24pin全后贴" [mm] "USB type C 24pin全后贴"
  oval 1x1.8 hole 0.6 slot 1.4 at 90 deg: 0(-6.375,-0.56) 0(-4.3,-6.51) 0(4.3,-6.51) 0(6.375,-0.56)
  rect 0.3x1.524 smd: A1(-5.75,0.5) A2(-5.25,0.5) A3(-4.75,0.5) A4(-4.25,0.5) A5(-1.25,0.5) A6(-0.75,0.5) A7(0.75,0.5) A8(1.25,0.5) A9(4.25,0.5) A10(4.75,0.5) A11(5.25,0.5) A12(5.75,0.5) B1(3.75,0.5) B2(3.25,0.5) B3(2.75,0.5) B4(2.25,0.5) B5(1.75,0.5) B6(0.25,0.5) B7(-0.25,0.5) B8(-1.75,0.5) B9(-2.25,0.5) B10(-2.75,0.5) B11(-3.25,0.5) B12(-3.75,0.5)
  Keep-Out Layer circle w0.254: c-3.75,-1.06 r0.3
  Keep-Out Layer circle w0.254: c3.75,-1.06 r0.3
  silkscreen extent -7.5,-9.06 7.5,1.75
"USB type C  16pin" [mm] "缺少RX和TX两对差分线"
  oval 1x1.6 hole 0.6 slot 1.2 at 90 deg: 0(-4.32,-2.5) 0(4.32,-2.5)
  oval 1x2.1 hole 0.6 slot 1.7 at 90 deg: 0(-4.32,1.68) 0(4.32,1.68)
  rect 0.6x1.64 smd: 1(-3.225,2.5) 2(-2.425,2.5) 11(2.475,2.5) 12(3.275,2.5)
  rect 0.3x1.64 smd: 3(-1.725,2.5) 4(-1.225,2.5) 5(-0.725,2.5) 6(-0.225,2.5) 7(0.275,2.5) 8(0.775,2.5) 9(1.275,2.5) 10(1.775,2.5)
  Keep-Out Layer circle w0.1: c2.89,1.15 r0.325
  Keep-Out Layer circle w0.1: c-2.89,1.15 r0.325
  silkscreen extent -5.59,-5.1 5.46,5.12
WSON8 [mil] "比如W25Q256"
  oval 22x55.1 smd mask+2: 1(-75,-158.6) 2(-25,-158.6) 3(25,-158.6) 4(75,-158.6) 5(75,158.6) 6(25,158.6) 7(-25,158.6) 8(-75,158.6)
  rect 169.3x133.9 smd mask+2: 9(0,0)
  silkscreen extent -121,-196 121,161
ZJY_1.14'' [mm]
  rect 0.4x2 smd paste+0 mask+0.102: 1(13,12.797) 2(12.3,12.797) 3(11.6,12.797) 4(10.9,12.797) 5(10.2,12.797) 6(9.5,12.797) 7(8.8,12.797) 8(8.1,12.797) 9(7.4,12.797) 10(6.7,12.797) 11(6,12.797) 12(5.3,12.797) 13(4.6,12.797)
  silkscreen extent 0,0 17.6,31